# KiCad board k410t-devboard.kicad_pcb (continued)
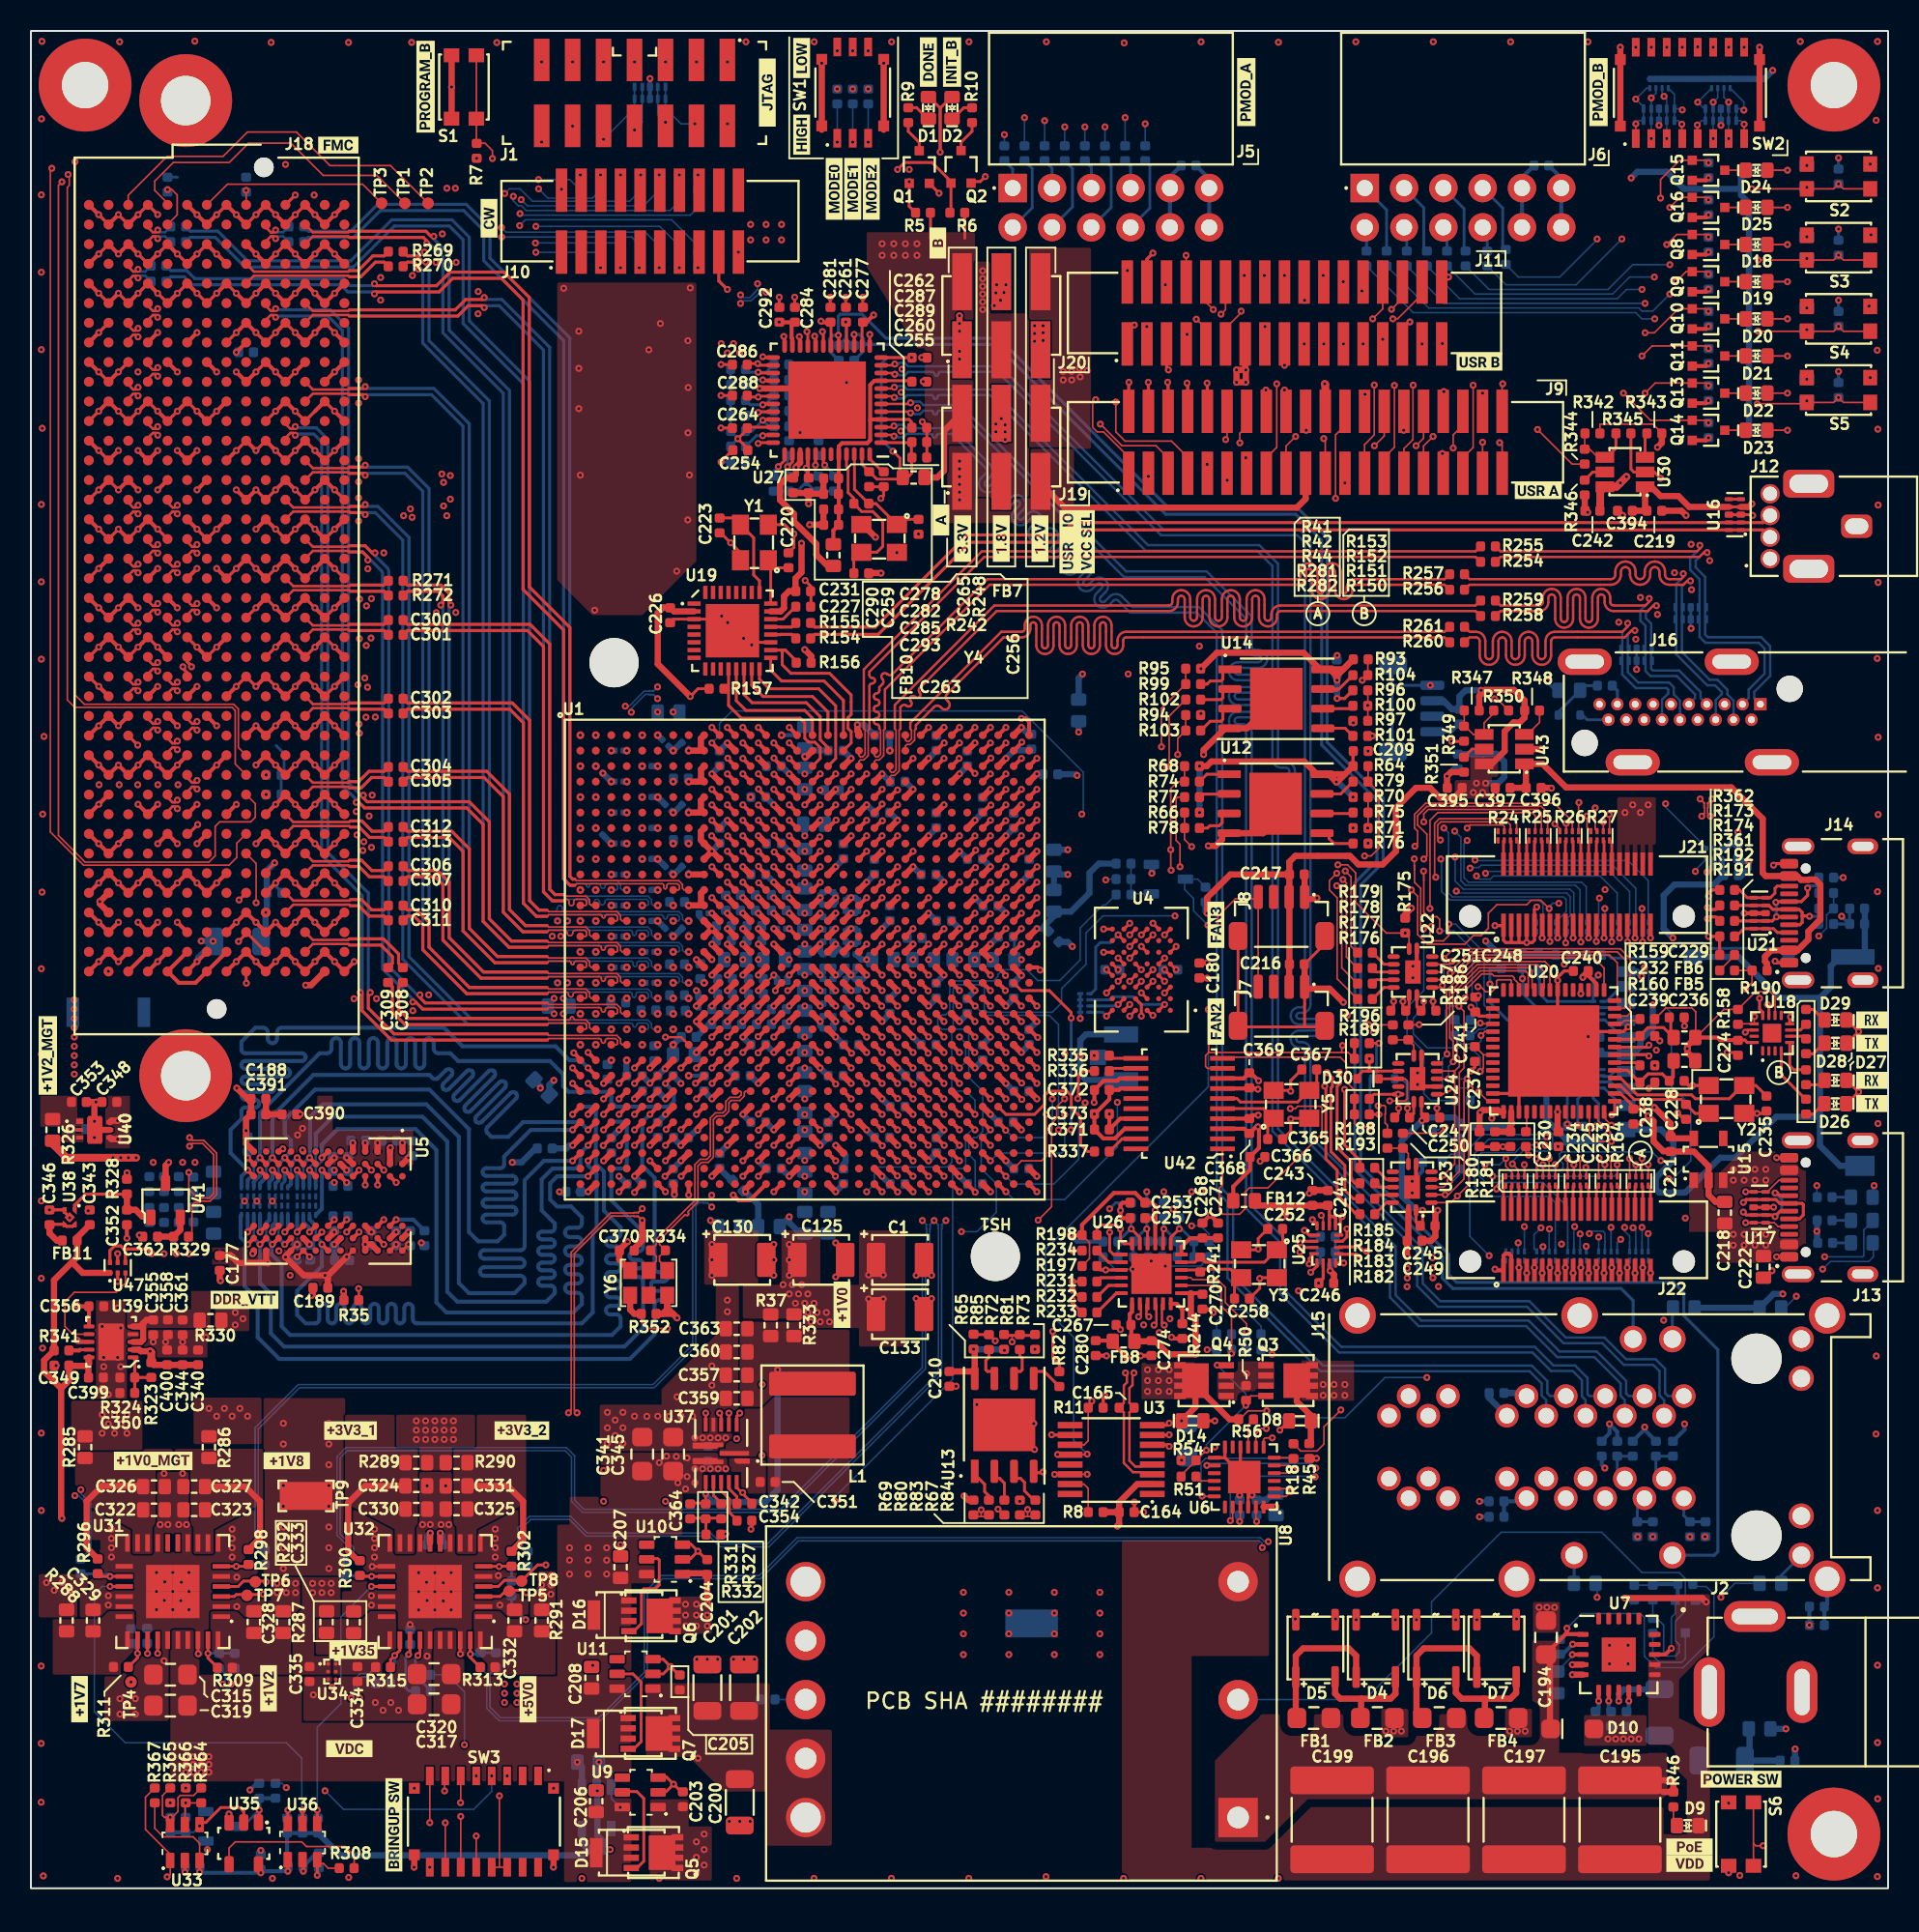
[diagram p0: board, top side]
## Routing (per net, layer and track width the routed paths; a pad name or vN(x,y) marks a point on that pad's centre or on a via; arc(x,y) is an arc through that point) (continued)
Net-(D4-Pad1): length 7.6
  Top w0.4: D4.1 88.17,12.57 87.85,12.25 85.95,12.25 ; D5.1 84.27,12.58 84.6,12.25 85.95,12.25 ; 85.95,11 85.95,12.25
Net-(D4-Pad2): length 9.7
  Top w0.4: D4.2 85.63,15.02 85.15,15.5 82.2,15.5 81.73,15.03 D5.2 81.73,11.12 81.85,11
Net-(D6-Pad1): length 7.5
  Top w0.4: 93.9,12.25 93.95,12.2 93.95,11 ; 93.9,12.25 92.45,12.25 92.07,12.63 D6.1 ; 93.9,12.25 95.6,12.25 95.97,12.62 D7.1
Net-(D6-Pad2): length 9.9
  Top w0.4: 89.95,11 89.53,11.42 D6.2 89.53,15.03 90,15.5 92.95,15.5 93.43,15.02 D7.2
Net-(D9-A): length 1.3
  Top w0.1: 106.13,5.25 106.13,4.23 106.31,4.05
Net-(D11-A): length 1.2
  Bottom w0.177: 116.38,41.7 117.55,41.7
Net-(D12-A): length 1.2
  Bottom w0.177: 116.38,43.15 117.55,43.15
Net-(D13-A): length 1.2
  Bottom w0.177: 116.38,44.65 117.55,44.65
Net-(D18-A): length 2.8
  Top w0.1: v1(113.5,106.2) 112.25,106.2
  Bottom w0.1: 111.99,106.2 v1(113.5,106.2)
Net-(D18-C): length 1.4
  Top w0.1: 109.35,106.2 110.75,106.2
Net-(D19-A): length 2.8
  Top w0.1: v1(113.5,103.8) 112.25,103.8
  Bottom w0.1: 111.99,103.8 v1(113.5,103.8)
Net-(D19-C): length 1.4
  Top w0.1: 109.35,103.8 110.75,103.8
Net-(D20-A): length 2.8
  Top w0.1: v1(113.5,101.4) 112.25,101.4
  Bottom w0.1: 111.99,101.4 v1(113.5,101.4)
Net-(D20-C): length 1.4
  Top w0.1: 109.35,101.4 110.75,101.4
Net-(D21-A): length 2.8
  Top w0.1: v1(113.5,99) 112.25,99
  Bottom w0.1: 111.99,99 v1(113.5,99)
Net-(D21-C): length 1.4
  Top w0.1: 109.35,99 110.75,99
Net-(D22-A): length 2.8
  Top w0.1: v1(113.5,96.6) 112.25,96.6
  Bottom w0.1: 111.99,96.6 v1(113.5,96.6)
Net-(D22-C): length 1.4
  Top w0.1: 109.35,96.6 110.75,96.6
Net-(D23-A): length 2.8
  Top w0.1: v1(113.5,94.2) 112.25,94.2
  Bottom w0.1: 111.99,94.2 v1(113.5,94.2)
Net-(D23-C): length 1.4
  Top w0.1: 109.35,94.2 110.75,94.2
Net-(D24-A): length 2.8
  Top w0.1: v1(113.5,111) 112.25,111
  Bottom w0.1: 111.99,111 v1(113.5,111)
Net-(D24-C): length 1.4
  Top w0.1: 109.35,111 110.75,111
Net-(D25-A): length 2.8
  Top w0.1: v1(113.5,108.6) 112.25,108.6
  Bottom w0.1: 111.99,108.6 v1(113.5,108.6)
Net-(D25-C): length 1.4
  Top w0.1: 109.35,108.6 110.75,108.6
Net-(D26-A): length 1.4
  Top w0.182: 115.83,50.69 115.16,50.01 114.7,50.01
Net-(D27-A): length 1.3
  Top w0.182: 115.85,52.2 115.56,51.91 114.7,51.91
Net-(D28-A): length 1.4
  Top w0.182: 115.85,54.6 115.17,53.91 114.7,53.91
Net-(D29-A): length 1.4
  Top w0.182: 115.85,56.1 115.17,56.78 114.7,56.78
Net-(D38-Pad1): length 6.5
  Top w0.177: 86.49,54.6 v1(87.1,54.6) ; 86.49,50 v1(87.1,50)
  Bottom w0.177: v1(87.1,50) 86.72,50 86.53,50.2 86.53,52.3 86.53,52.3 86.94,52.71 86.94,54.44 v1(87.1,54.6)
Net-(J4-Pin_4): length 2.1
  Bottom w0.198: 90.43,74.72 91.81,74.72 92.3,75.22
Net-(J15A-TRDCT1/2/3/4_1): length 2.5
  Bottom w0.256: J15.9_1 96.44,25 95.2,25 95.19,24.99 95.19,24
Net-(J18A-VREF_A_M2C): length 20.7
  Top w0.1: TP1.1 22.36,110.67 18.88,110.67 16.8,112.75 14.06,112.75 12.81,111.5 9.2,111.5 8,110.3 8,109.7 8.83,108.87 8.83,108.76
Net-(J18A-VREF_B_M2C): length 23.6
  Top w0.1: J18.K01 6.29,109.38 8.8,111.9 12.42,111.9 13.99,113.47 17.16,113.47 19.33,111.3 23.23,111.3 TP2.1
Net-(J18B-PG_C2M): length 0.9
  Top w0.1: 13.91,108.76 13.91,109.69 v1(13.9,109.7)
Net-(J18B-PG_M2C): length 12.4
  Top w0.1: TP3.1 21.43,110.1 12.7,110.1 J18.F01
Net-(J23-CLK): length 2.2
  Bottom w0.182: 103.31,55.03 102.78,55.03 101.7,56.1 101.55,56.1
Net-(J23-CMD): length 1.9
  Bottom w0.182: 103.31,52.82 102.38,52.82 102,52.45 101.6,52.45 101.55,52.5
Net-(J23-DAT0): length 1.6
  Bottom w0.182: 103.03,57.22 102.7,56.9 101.55,56.9
Net-(J23-DAT1): length 2.2
  Bottom w0.182: 103.31,58.32 102.82,58.32 101.8,57.3 101.55,57.3
Net-(J23-DAT2): length 2.2
  Bottom w0.182: 101.55,51.7 101.65,51.7 102.72,50.62 103.31,50.62
Net-(J23-DAT3/CD): length 1.9
  Bottom w0.182: 101.55,52.1 102.07,52.1 102.45,51.72 103.31,51.72
Net-(J23-SHIELD): length 49.3
  Bottom w0.4: J23.11 105.32,49.03 106.12,48.22 106.12,47.03 105,45.9 105,45.18 105.22,44.95 106.9,44.95 109.15,47.2 110.12,47.2 112.77,49.85 115.6,49.85 ; 115.6,49.85 115.6,47.97 116.9,46.68 J23.11 ; 115.6,49.85 115.6,57.53 ; 118.49,63.3 118.5,63.28 118.5,60.55 118.12,60.18 116.9,60.18 116.3,59.57 116.3,58.22 115.6,57.53 ; 115.6,57.53 113,57.53 110.35,60.18 107.38,60.18
Net-(NT1-Pad1): length 2.4
  Top w0.1: NT1.1 10.55,44.3 10.4,44.15 10.4,42.31 10.19,42.1
Net-(Q1-D): length 2.2
  Top w0.182: 57.4,112.16 57.4,112.8 56.69,113.51 56.69,114.08
Net-(Q2-D): length 2.2
  Top w0.182: 60.81,114.08 60.81,113.52 60.1,112.81 60.1,112.17
Net-(Q5-G): length 6.7
  Top w0.182: 38.07,6.25 39.15,6.25 39.6,5.8 39.6,1.75 39.21,1.36 38.79,1.36
Net-(Q6-G): length 7
  Top w0.182: 38.63,16.66 39.01,16.66 39.45,17.1 39.45,19.2 39.6,19.35 40.35,19.35 40.6,19.6 40.6,21.2 40.5,21.3 39.65,21.3
Net-(Q7-G): length 6.6
  Top w0.182: U11.5 38.9,13.85 39.43,13.32 39.43,9.47 39.01,9.06 38.59,9.06
Net-(Q17-G): length 1.4
  Bottom w0.1: 91.15,46.9 91.22,46.9 91.75,47.43 92.21,47.43 92.3,47.34
Net-(Q18-D): length 5.6
  Bottom w0.1: 106.9,16.63 106.9,14.84 106.66,14.6 105.22,14.6 104.8,15.03 104.8,16.47
Net-(R191-Pad1): length 1.4
  Top w0.1: 110.08,60.3 110.08,60.27 109.12,59.3
Net-(U3-STBY): length 2.8
  Top w0.1: 67.15,26.11 68.04,26.11 68.31,25.84 68.31,24.3
Net-(U6-VBUS_EN_SNK): length 1.3
  Top w0.1: 75.28,26.6 75.56,26.32 76.47,26.32
Net-(U8-TRIM): length 2
  Bottom w0.1: 50.06,12.19 48.09,12.19 48.09,12.2
Net-(U22-B1Y): length 1.7
  Top w0.177: 88.05,58.2 87.44,58.2 86.69,57.45
Net-(U22-B2Y): length 1.5
  Top w0.177: 88.05,58.7 86.94,58.7 86.69,58.45
Net-(U22-B3Y): length 1.5
  Top w0.177: 86.69,59.45 86.94,59.2 88.05,59.2
Net-(U22-B4): length 1.7
  Top w0.177: 88.05,59.7 87.44,59.7 86.69,60.45
Net-(U23-B1Y): length 1.7
  Top w0.177: 86.84,43.55 87.59,44.3 88.2,44.3
Net-(U23-B2Y): length 1.5
  Top w0.177: 86.84,44.55 87.09,44.8 88.2,44.8
Net-(U23-B3Y): length 1.5
  Top w0.177: 88.2,45.3 87.09,45.3 86.84,45.55
Net-(U23-B4): length 1.7
  Top w0.177: 86.84,46.55 87.59,45.8 88.2,45.8
Net-(U23-OE): length 2.2
  Top w0.1: 87.65,47.81 88.65,47.81 89,47.47 89,46.8
Net-(U24-OE): length 2.2
  Top w0.1: 89.35,53.8 89.35,54.47 89,54.81 88,54.81
Net-(U30-ISET): length 1.5
  Top w0.182: 100.4,90.98 100.91,91.5 101.7,91.5
Net-(U41-OUT): length 2.5
  Top w0.4: 9.65,43.4 9.65,42.53 9.22,42.1 8.19,42.1
Net-(U43-EN): length 4.3
  Top w0.1: 94.51,76.1 94.51,75.92 93.9,75.3 U43.4 93.2,74.55 92.66,75.08 92.6,75.08 92.62,75.1 92.62,76.1
Net-(U43-FLG): length 2.1
  Top w0.1: 97.49,76.1 97.49,75.33 96.7,74.55 U43.3
Net-(U43-ISET): length 1.5
  Top w0.182: U43.5 93.12,73.6 92.6,73.08
unconnected-(J18A-VADJ-PadE39): length 6.7
  Top w0.256: 12.64,60.5 10.63,58.5 9.56,58.5 8.83,59.23 10.1,60.5
unconnected-(J18A-VIO_B_M2C-PadJ39): length 1.8
  Top w0.256: 6.29,59.23 7.56,60.5
unconnected-(U16-Pad5): length 0.8
  Top w0.182: 110.49,89.75 109.71,89.75

## Copper pours and planes (outline as drawn; the poured copper is in the pictures)
+0V675_VREF on In2.Cu: 43.8,42 25.75,42 25.75,42.5 42.3,42.5 42.3,47.25 41.3,48.25 41.3,50.3 40.75,50.85 40.75,51.24 43.8,51.24
+0V675_VTT on Top: 14.1,36 11.9,36 11.9,38.3 14.1,38.3
+0V675_VTT on Bottom: 7.1,45.5 13,45.5 13.5,45 13.5,44 13,43.5 7.1,43.5 7.1,40.6 9.6,38.1 14.1,38.1 14.1,36.1 7.6,36.1 4.1,39.6 4.1,45.6 7.1,45.6
+0V675_VTT on Bottom: 18.5,43.95 13.5,43.95 13.5,44.85 18.5,44.85
+1V0 on Top: 47,39 48.5,39 48.5,42.5 51,42.5 51,39 53.5,39 53.5,42.5 56.5,42.5 56.5,35 53.5,35 53.5,36.2 50,36.2 50,36.8 46,36.8 46,39 43.5,39 43.5,42.5 47,42.5
+1V0 on Bottom, In1.Cu: 57.25,62.25 57.25,35 43.05,35 43.05,41.75 44.01,42.7 44,47 43,48 43,64.48 49.5,64.48 49.5,66.5 53,66.5
+1V0_MGTAVCC on Top: 7.2,31.5 7.2,28.3 2.6,28.3 2.6,31.5
+1V0_MGTAVCC on In2.Cu: 43,77.5 40,77.5 40,78 33,78 33,58 5,58 5,45 7,45 7,27 3,27 3,61 28,61 28,83.5 43,83.5
+1V0_MGTAVCC on In2.Cu: 42.4,76.5 42.5,76.4 42.5,60.5 40.5,60.5 39.9,61.1 39.9,78.15 42.4,78.15
+1V2 on Top: 68.5,93 64.5,93 64.5,106 68.5,106
+1V2 on Top: 17.4,18.1 16.8,17.5 15.3,17.5 15.3,18.6 15.5,18.6 15.5,20.1 17.4,20.1
+1V2 on In2.Cu: 59,98.5 60.9,98.5 60.9,99 68.7,99 68.7,96.75 56,96.75 56,90 51.7,90 51.7,92 49.7,92 49.7,90 46.45,90 46.45,100.3 43,100.3 43,90 28.11,89.98 27.92,61.01 2.75,61 2.75,26.65 17.65,26.65 17.65,17.5 15.25,17.5 15.25,24.5 0.05,24.5 0,65 23,65 22.99,103.93 49.3,103.98 49.3,101.8 59,101.8
+1V2_MGTAVTT on In2.Cu: 39.8,61.2 40.5,60.5 40.5,57.43 41.25,56.72 41.62,56.72 41.75,56.6 41.75,56.43 41.6,56.28 41.28,56.28 40.5,55.5 40.5,54.65 39.85,54 39.5,54 39.1,53.6 32.6,53.6 32.6,78.15 39.8,78.15
+1V2_MGTAVTT on In2.Cu: 33,55.5 7,55.5 7,45 5,45 5,58 33,58
+1V8 on Top: 14.9,31.7 14.9,28.7 10.5,28.7 10.5,31.7
+1V8 on Top: 62,101.75 64.5,101.75 64.5,89.75 61,89.75 61,105.1 62,105.1
+1V8 on In2.Cu: 51.75,38 34,38 23.6,36.35 23.6,19 33.9,19 33.9,20.8 38.9,20.8 45.5,25.9 45.5,28.5 59.5,28.5 59.5,35 64.8,35 72,44 105.86,43.96 105.85,51.96 113.99,52 114.02,79.9 105.3,79.9 105,112.5 54,112.5 54,105.1 62.1,105.1 62.1,101.6 49.4,101.6 49.4,115.82 54.5,115.82 54.5,119.42 120,119.83 119.9,84.2 119.9,84.3 119.9,48 108.9,48 108.91,39.22 75.01,39.12 67.9,32.3 66.5,32.3 66.5,24.3 49.1,24.3 45.7,20.9 45.7,19.8 44.9,19 41,19 41,13.79 20.6,13.79 20.6,29.09 20.4,29.5 10.6,29.5 10.6,39.87 25.35,39.85 25.35,42 43.85,42 43.85,43 51.75,43
+1V8 on In2.Cu: 54.2,54.25 54.2,42.55 43.85,42.55 43.85,51.34 42.9,51.34 42.9,57 42.68,57.23 41.45,57.22 41.25,57.4 41.25,57.65 41.65,58.05 41.65,58.8 41.25,59.2 41.25,59.65 42.75,59.65 43.25,59.1 43.85,59.1 44.3,59.55 44.3,62.25 49.15,62.25 50,61.4 50,54.25
+1V35 on Top: 24.6,38.9 12.8,38.9 12.8,40.3 11.7,40.3 11.7,41.4 16.4,41.4 16.4,42.8 24.6,42.8
+1V35 on Top: 19.5,49 24.7,49 24.7,46.7 14.8,46.7 14.8,50.3 18.5,50.3 18.5,51.2 19.5,51.2
+1V35 on Top: 20,17.5 18.3,17.5 18.3,15 19.4,15 19.4,13.8 16.9,13.8 16.9,17.5 17.5,18.1 17.5,20.1 20,20.1
+1V35 on Bottom: 12.4,40.6 7.2,40.6 7.2,43.4 12.4,43.4
+1V35 on In2.Cu: 32.75,42.5 25.6,42.5 25.6,44.75 13.25,44.75 13.25,44.25 24.95,44.25 24.95,41 25,41 25,40 19.8,40 19.6,39.2 18.8,39.2 18.6,40 10.5,40 10.5,29.5 20.5,29.5 20.5,17.5 17.85,17.5 17.85,26.9 7.25,26.9 7.25,55.55 32.75,55.55
+1V35 on In2.Cu: 42.85,51.33 40.7,51.29 40.7,50.8 41.25,50.25 41.25,48.2 42.2,47.25 42.2,42.55 32.55,42.55 32.55,53.4 39.1,53.4 39.8,52.7 42.87,52.71
+3V3 on Top: 61,93.25 57.75,93.25 57.75,99.5 57.25,99.5 54,104.75 54,107 61,107
+3V3 on Top: 28.7,28.5 27.2,28.5 27.2,27 25.1,27 25.1,28.5 23.6,28.5 23.6,30.6 28.7,30.6
+3V3 on Bottom: 16,108.8 6.6,108.5 6.6,100.3 16,100.1 16,76 18,74 18,58 2,58 2,112 16,112
+3V3 on In2.Cu: 125,-2.5 -5,-2.5 -5,122.5 125,122.5
+3V3 on In2.Cu: 81.32,37.03 120,37.03 120,0 70.5,0 70.5,22.5 81.32,22.5
+3V3 on In2.Cu: 57.4,67.7 53.95,64.25 53.95,62 54.5,61.45 55.05,61.45 56.05,62.45 68,62.45 68,42.5 54.22,42.5 54.25,54.3 50.05,54.3 50.05,61.45 49.2,62.3 44.2,62.3 44.2,59.6 43.8,59.2 43.3,59.2 42.8,59.75 41.4,59.75 41.25,59.6 41.25,59.3 41.6,58.95 41.6,58.1 41.2,57.7 41.2,57.35 41.4,57.15 42.62,57.15 42.85,56.93 42.85,52.8 39.9,52.8 39.3,53.4 39.3,53.7 39.5,53.9 39.9,53.9 40.6,54.6 40.6,55.55 41.28,56.22 41.62,56.22 41.8,56.4 41.8,56.62 41.65,56.78 41.25,56.78 40.6,57.43 40.6,60.4 42.55,60.4 42.55,76.4 42.5,76.5 42.5,77.4 43.3,77.4 43.3,78.15 57.4,78.15
+3V3 on In2.Cu: 68,34.5 58.75,34.5 52.75,28.5 23.5,28.5 23.6,36.35 34,38 51.85,38 51.85,43 68,43
+3V3 on In3.Cu: 28,28.5 31.12,24 31.12,13.5 32,13.5 32,11.5 25.5,11.5 25.5,20.89 24.5,20.89 24.5,30.5 28,30.5
+3V3 on In7.Cu: 49.5,104.6 47,102 47,98.8 43.5,98.8 43.5,108.5 49.5,108.5
+5V on Top: 33.9,17.5 32.25,17.5 32.25,18.75 32.75,19.5 32.75,20.5 33.9,20.5
+5V on Top: 94.8,71.8 94.4,71.8 94.4,70.4 92,70.4 92,71.6 93,71.6 93,73.2 94.8,73.2
+5V on Top: 105,66.38 102.5,66.38 102.5,70.5 105,70.5
+5V on In2.Cu: 114,52 105.85,52 105.85,44 72,44 64.8,35 59.4,35 59.4,28.4 40.8,28.4 34,20.8 34,19 32.4,19 32.4,28.4 38.4,28.4 38.6,30 47.43,30.05 58,30 58,36.4 63.8,36.4 71.2,46.2 91.8,46.2 93.4,51.2 103.4,51.2 103.4,53.8 111.8,53.8 111.8,69 93,69 93,81.8 100,81.8 100,94.6 105.2,94.6 105.2,79.8 114,79.8
/DC-DC Converters/1V0_BS on Top: 47.6,25.5 45.9,25.5 45.9,26.9 45.1,26.9 45.1,27.9 47.6,27.9
/DC-DC Converters/1V0_REG on Top: 52.9,31.9 48,31.9 47.2,31.1 45.8,31.1 45.8,36.6 49.9,36.6 49.9,36.1 52.9,36.1
/DC-DC Converters/1V0_SW on Top: 52.9,25.5 47.6,25.5 47.6,27.9 44.5,27.9 44.5,28.4 44.9,28.4 44.9,29.4 45.8,29.4 45.8,31.1 47.2,31.09 48,31.9 52.9,31.9
/DC-DC Converters/1V2_local on Top: 13.8,17.4 16.9,17.4 16.9,13.8 12.5,13.8 12.5,14.5 11.6,15.4 11.6,17.9 13.3,17.9
/DC-DC Converters/1V7 on Top: 3.7,19.2 3,19.2 3,17.5 0.5,17.5 0.5,20.3 3.7,20.3
/DC-DC Converters/1V7 on Top: 6.4,51.2 6.4,47.8 4.8,47.8 4.8,51.2
/DC-DC Converters/1V7 on Bottom: 6.6,47.8 3,47.8 3,18.8 0.4,18.8 0.4,51.6 6.6,51.6
/DC-DC Converters/1V7_local on Top: 4.5,17.4 1.4,17.4 1.4,13.8 5.8,13.8 5.8,14.5 6.7,15.4 6.7,17.9 5,17.9
/DC-DC Converters/1V8_local on Top: 9.3,27 10.3,27 10.3,23.6 10.5,23.3 10.5,21.6 11.8,21.6 11.8,23.2 15,24.9 15,28.4 9.3,28.4
/DC-DC Converters/1V35_local on Top: 21.4,17.4 18.3,17.4 18.3,15.1 19.45,15.1 19.45,13.8 22.7,13.8 22.7,14.5 23.6,15.4 23.6,17.9 21.9,17.9
/DC-DC Converters/3V3_local on Top: 25,23.6 24.8,23.3 24.8,21.6 23.5,21.6 23.5,23.2 20.3,24.9 20.3,30.6 25,30.6
/DC-DC Converters/3V3_local_2 on Top: 27.3,23.6 27.5,23.3 27.5,21.6 28.8,21.6 28.8,23.2 32,24.9 32,30.6 27.3,30.6
/DC-DC Converters/5V_local on Top: 30.8,17.4 33.9,17.4 33.9,13.8 29.5,13.8 29.5,14.5 28.6,15.4 28.6,17.9 30.3,17.9
/DC-DC Converters/VDDR_VTT on Top: 10.35,38.59 11.6,38.59 11.6,36.2 6.2,36.2 6.2,37.4 10.35,37.4
/Power supply/VDD on Top: 98.75,8.75 105.75,8.75 105.75,5.75 82.5,5.75 79.75,3 76.5,3 76.5,8.25 79.5,11.25 97,11.25 97,16 98.75,16
/Power supply/VSS on Top: 104.4,9.2 100.35,9.2 100.35,11.2 104.4,11.2
/Power supply/VSS on Top: 98.8,16.5 97.05,16.5 97.05,18.5 98.8,18.5
/Power supply/VSS on Top: 97,9.75 95.25,9.75 95.25,11.6 97,11.6
/Power supply/VSS on Top: 89,9.75 87.25,9.75 87.25,11.6 89,11.6
/Power supply/VSS on Bottom: 106.24,9 87,9 87,11 96,11 96,19 100,19 100,17 103.69,17 103.69,13.58 100,13.58 100,11 106.24,11
GND on Top: 43,85.75 39.5,82.25 36.28,82.25 34,84.53 34,103.75 43,103.75
GND on Top: 45.75,28.25 36.75,28.25 36.75,31.25 40.75,31.25 40.75,32.25 44.25,35.75 44.25,39 45.75,39
GND on Top: 20.3,20.11 15.03,20.11 15.03,31.68 20.3,31.68
GND on Top: 3.2,35.2 3.2,35.5 3.5,35.5 4.2,36.2 4.2,38 6.1,38 6.1,36.2 11.4,36.2 11.4,34.3 6.2,34.3 6.2,31.5 4.2,31.5 4.2,35.5 3.5,35.5
GND on Top: 10.25,25 14.65,25 14.65,18.7 15.25,18.7 15.25,17.4 13.45,17.4 13.45,15 8.95,15 8.95,10.8 4.75,10.8 4.75,13.8 5.45,13.8 5.45,17.4 3.15,17.4 3.15,19.2 3.75,19.2 3.75,24.6 8.15,24.6 8.15,26.9 10.25,26.9
GND on Top: 27.2,24.8 31.6,24.8 31.6,18.7 32.2,18.7 32.2,17.4 30.4,17.4 30.4,15 25.9,15 25.9,10.8 17.6,10.8 17.6,13.8 22.4,13.8 22.4,17.4 20.1,17.4 20.1,19.2 20.7,19.2 20.7,24.8 25.1,24.8 25.1,26.9 27.2,26.9
GND on Bottom: 17.94,14.5 3.12,14.5 3.12,27.5 17.94,27.5
GND on Bottom: 70.92,20.44 70.92,11.69 57.92,11.69 57.92,20.44
GND on Bottom: 12.37,45.6 7.17,45.6 7.17,47.3 12.37,47.3
GND on Bottom: 34.12,14.5 20.18,14.5 20.18,27.5 34.12,27.5
GND on Bottom: 48.25,24.75 36.5,24.75 36.5,31.84 40.72,31.84 43.01,34.13 48.25,34.13
GND on In1.Cu, In4.Cu, In6.Cu, In8.Cu: 82.3,38.5 120,38.5 120,0 70.5,0 70.5,22.5 82.3,22.5
GND on In1.Cu, In4.Cu, In6.Cu, In8.Cu: 120,0 0,0 0,120 120,120
GND on In5.Cu, In7.Cu: 31.59,10.62 5.22,10.62 5.22,30.57 31.59,30.57
GNDD on Top: 80,15 75,15 75,2.62 79.62,2.62 82.5,5.5 105.5,5.5 105.5,3.5 107,3.5 107,7 106,8 106,8.5 105.58,9 104.5,9 104.5,14.75 106.25,14.75 106.25,19 108.5,19 108.5,15.5 106.5,13.5 106.5,11 108.5,10 108.5,0.5 70.5,0.5 70.5,22.5 80,22.5
VCC_USR_A on Top: 61,89.8 64.6,89.8 64.6,93 67.4,93 67.4,89 66.6,88.2 59.2,88.2 59.2,93.2 61,93.2
VCC_USR_A on In2.Cu: 67.25,82 71,82 71,62.5 67.5,62.5 67.5,67.5 68,67.5 68,78 60.45,78 60.45,88.9 59.2,88.9 59.15,94.75 62,94.75 62.1,95.15 63.4,95.15 63.6,94.75 67.25,94.75
VCC_USR_A on In2.Cu: 68,62.5 56,62.5 55,61.5 54.7,61.5 54,62.2 54,64.1 57.4,67.5 68,67.5
VCC_USR_B on In2.Cu: 71.6,98.8 79.43,98.8 79.43,96.5 71.6,96.5 71.6,94.75 59.15,94.75 59.15,88.9 60.45,88.9 60.45,77.75 57.5,77.75 56,90 56,96.74 68.75,96.79 68.75,99 60.9,99 60.9,98.5 59.05,98.5 59.05,101.6 62.1,101.6 62.1,104 71.6,104
VCC_USR_B on In2.Cu: 68,67.6 57.5,67.6 57.5,78.15 68,78.15
12P0V on Bottom: 18.2,56.3 14.15,56.3 12.85,55 6.8,55 6.8,58.1 1.9,58.1 1.9,64.6 9.4,64.6 9.4,58 14.2,58 14.2,59 13.4,59 13.4,66.8 18.2,66.8
/DC-DC Converters/MGTAVCC_local on Top: 9.15,27 8.05,27 8.05,23.6 7.85,23.3 7.85,21.6 6.55,21.6 6.55,23.2 3.35,24.9 3.35,26 2.85,26 2.85,28.4 9.15,28.4
/DC-DC Converters/MGTAVTT_OUT on Top: 3,49.8 3.4,49.8 3.4,48.2 2,48.2 2,49.2 0.6,49.2 0.6,51.2 3,51.2
/DC-DC Converters/POE_DC on Top: 47.75,10.25 51.75,10.25 51.75,2.75 47.5,2.75 47.5,6.25 44.75,6.25 42.5,8.5 39.75,8.5 39.75,13.25 47.75,13.25
/HDMI + Ethernet/ETH_3V3 on In2.Cu: 112.5,20.25 98,20.25 98,14.5 89,14.5 89,35 112.5,35
/HDMI + Ethernet/ETH_CONN_SH on In5.Cu: 118,18.5 84,18.5 84,38.5 118,38.5
/Power supply/DC_IN on Top: 44,0.5 40,0.5 40,5.75 42.5,5.75 42.5,4 44,4
/Power supply/DC_IN on Bottom: 112,3 85,3 82,6.5 58,6.5 52,0 42,0 42,4 51,4 56,9 103.83,9 103.83,7 109.75,7 109.75,9 112,9
/Power supply/PD_VBUS on Top: 80.35,31.5 76.65,31.5 76.65,34.05 80.35,34.05
/Power supply/USB_DBG_PD.VBUS on Top: 85.5,31.5 82.1,31.5 82.1,34.1 85.5,34.1
/Power supply/USB_DBG_PD.VBUS on Top: 114.7,40.4 109,40.4 109,42.4 107.15,42.4 107.15,46.25 109.12,46.25 110.48,47.6 114.7,47.6
/Power supply/USB_DBG_PD.VBUS on In2.Cu: 114.5,40.9 112.5,40.9 112.5,33.1 89,33.1 86.62,32.7 85.43,31.5 82.9,31.5 82.9,34 84.3,35.3 86.27,35.3 88.91,37.25 91.49,39.2 109.1,39.2 109.1,46.8 114.5,46.8
/Power supply/USB_PD_VBUS on Top: 75.2,31.6 71.75,31.6 71.75,34 75.2,34
/Power supply/USB_PD_VBUS on Top, In2.Cu: 44,16.45 41.25,16.45 41.25,18.85 44,18.85
/Power supply/USB_PD_VBUS on In2.Cu: 74,31.6 71.75,31.6 71.75,34 74,34
VDC on Top: 45,26.9 43.4,26.9 43.4,25.5 42.1,25.5 42.1,22.8 40.3,22.8 40.3,19.7 38.8,19.7 38.8,0 34.45,0 34.45,6.9 9,6.9 9,16.7 10.9,16.7 10.9,13.8 17.5,13.8 17.5,10.7 26,10.7 26,16.7 28,16.7 28,13.7 34,13.7 34,23.5 34.8,23.5 34.8,25.3 36.8,25.3 36.8,28.3 45,28.3
VDC on Bottom: 4.8,52.2 2,52.2 2,57.8 4.8,57.8
VDC on Bottom: 42.75,28 45.25,28 45.25,26.75 43.25,26.75 43.25,25.5 42.25,25.5 40.25,27.25 40.25,28.25 42.75,28.25
VDC on In2.Cu, In7.Cu: 45.5,25.9 38.8,19.8 34,19.8 34,22.5 35.6,22.5 41,28.4 45.5,28.5
VDC on In5.Cu: 4.8,10.4 13.2,10.4 13.2,6.8 2,6.8 2,57.8 4.8,57.8
Net-(F1-Pad1) on Bottom: 109.75,7 106.5,7 106.5,13.5 108.25,15.25 109.75,15.25

## Text on the board
User.Drawings: B34 | B18 | B33 | B17 | B32 | B12 | B13 | B118 | B117 | B116 | B115 | B16 | B15 | B14 | Layer stack concept: / -TOP: HS signals / -In.1: GND / -In.2: SUPPLY / -In.3: LS signals / -In.4: GND / -In.5: HS signals / -In.6: GND / -In.7: HS signals + VCCINT / -In.8: GND / -BOT: :LS/HS signals + VCCINT / Impedance compatible stackups: / - Eurocircuits: 10 Layers, 1,2mm, 1oz external/0,5oz internal / - JLCPCB: 10 Layers, 1,6mm, 1oz external/0,5oz internal (JLC10161H-2116) | DDR3L | PCIe
F.Mask: Kintex 410T devboard | Rev. ${REVISION} | 04/2024
F.Silkscreen: A | B | PCB SHA ########
